# KiCad board led_mapper_850.kicad_pcb
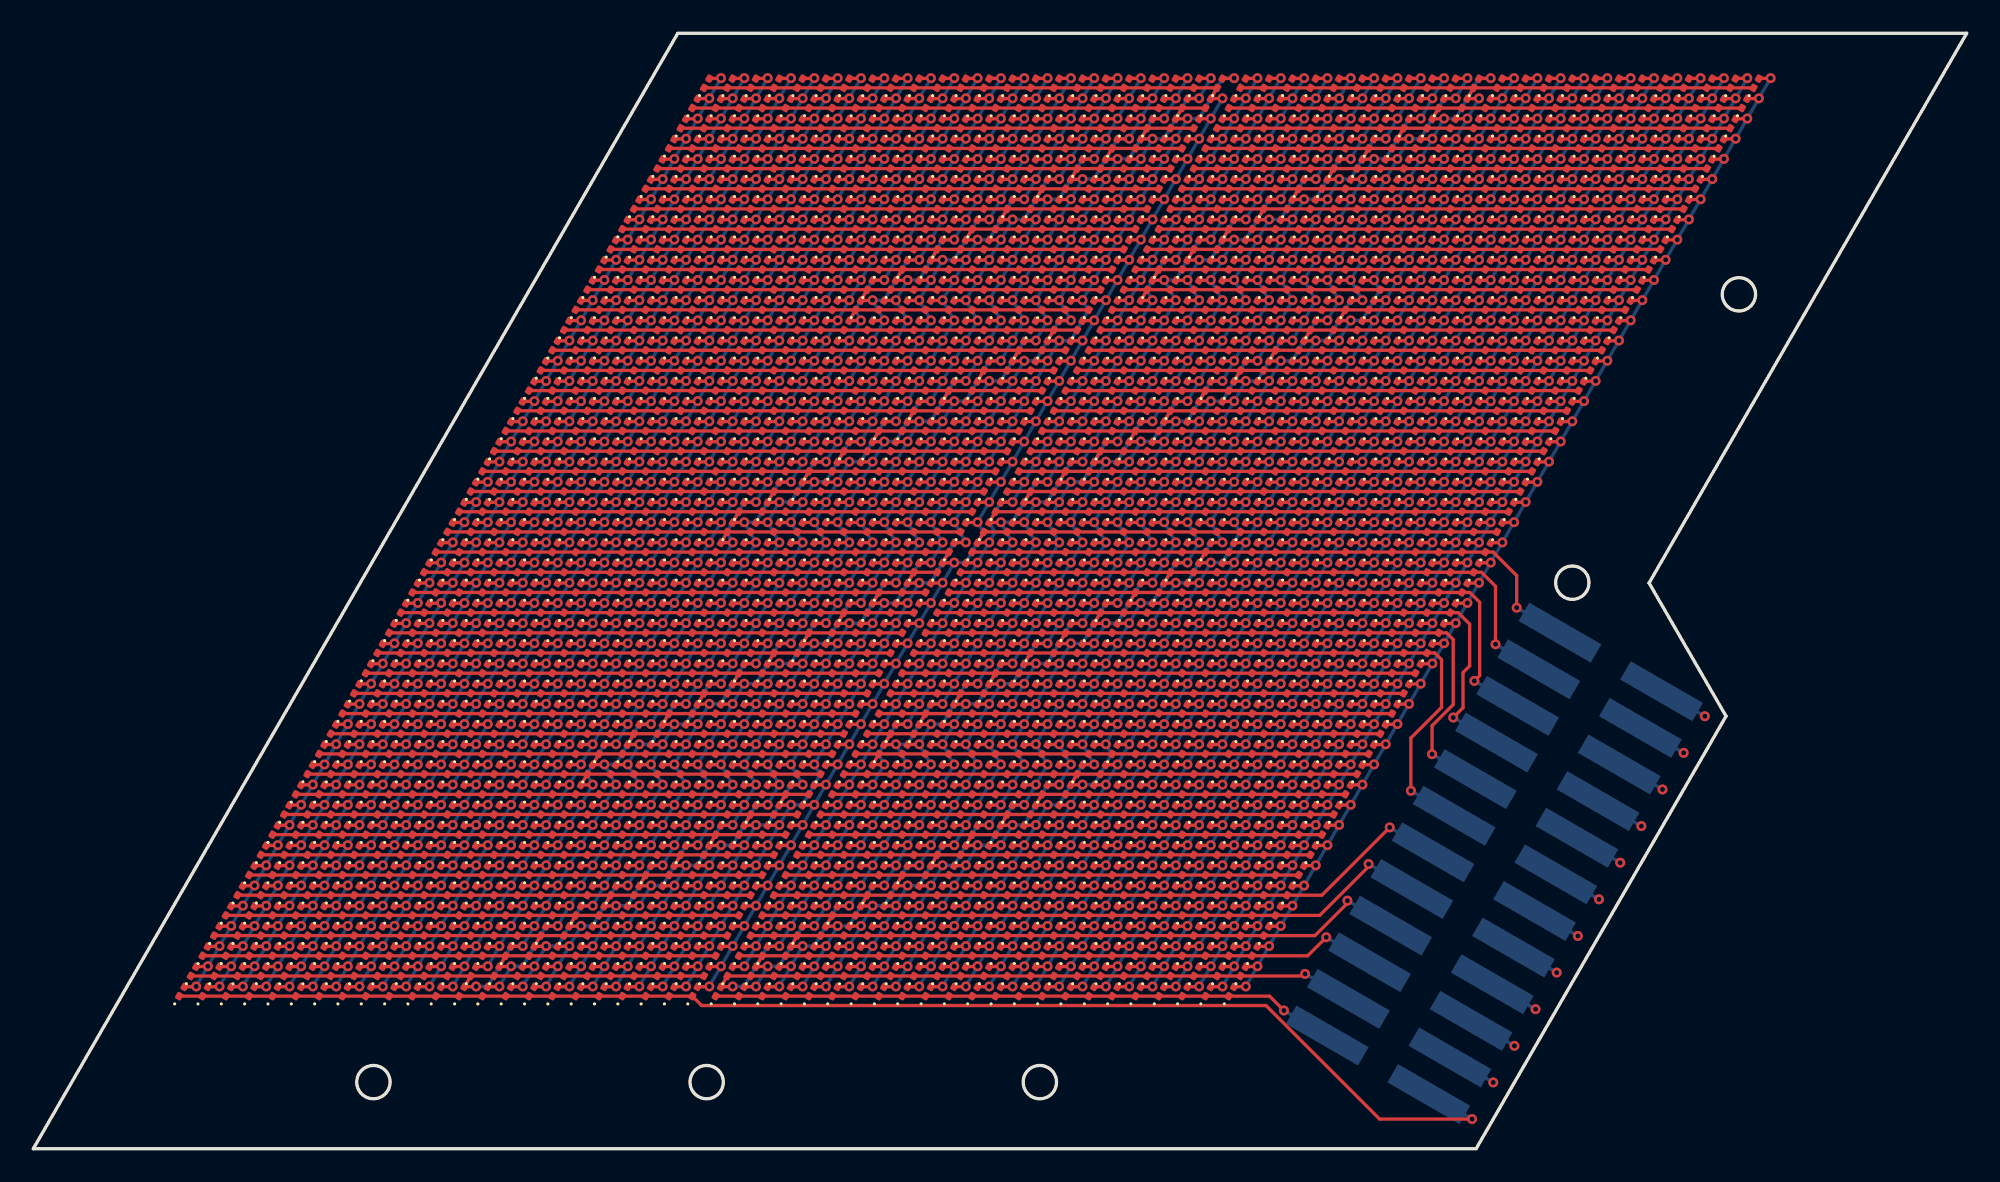
[diagram p0: board, top side]
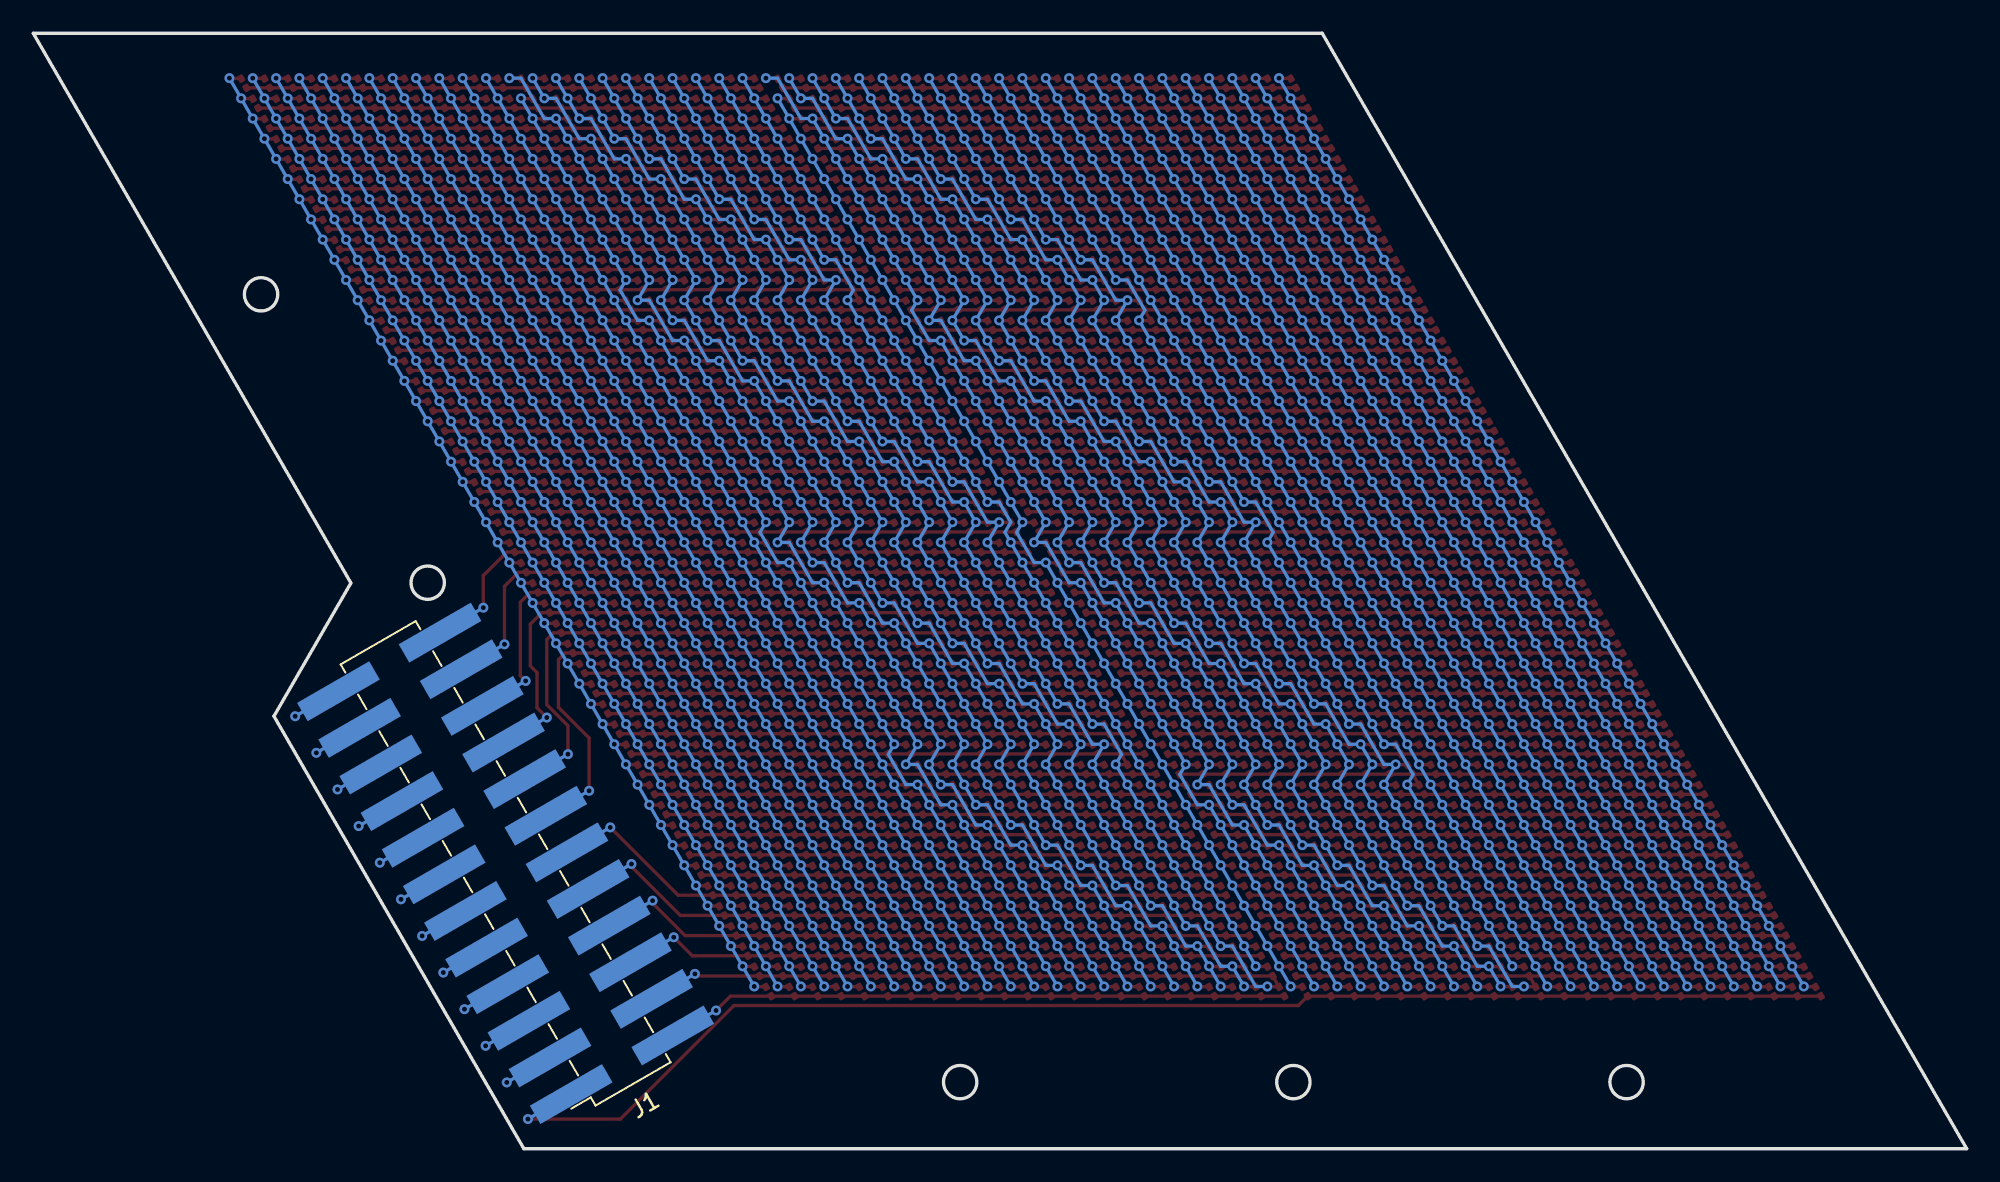
[diagram p1: board, bottom side, seen from below]

Outline 116.05 x 67 mm; copper layers: Top, In1.Cu, In2.Cu, Bottom. Coordinates in mm from the lower left corner of the outline.
Outline path: circle c20.41,4 r1 ; circle c40.41,4 r1 ; circle c60.41,4 r1 ; circle c92.38,34 r1 ; circle c102.38,51.32 r1 ; 0,0 86.6,0 101.6,25.98 96.98,33.98 116.05,67 38.68,67 0,0
Stack: Top 0.035mm / dielectric 0.1mm FR4 er 4.5 / In1.Cu 0.035mm / dielectric 1.24mm FR4 er 4.5 / In2.Cu 0.035mm / dielectric 0.1mm FR4 er 4.5 / Bottom 0.035mm

## Placement (name value [footprint] x y rotation side)
D1  LED  [LED_0201_0603Metric]  40.41 64 60 top
D2  LED  [LED_0201_0603Metric]  41.81 64 60 top
D3  LED  [LED_0201_0603Metric]  43.21 64 60 top
D4  LED  [LED_0201_0603Metric]  44.61 64 60 top
D5  LED  [LED_0201_0603Metric]  46.01 64 60 top
D6  LED  [LED_0201_0603Metric]  47.41 64 60 top
D7  LED  [LED_0201_0603Metric]  48.81 64 60 top
D8  LED  [LED_0201_0603Metric]  50.21 64 60 top
D9  LED  [LED_0201_0603Metric]  51.61 64 60 top
D10  LED  [LED_0201_0603Metric]  53.01 64 60 top
D11  LED  [LED_0201_0603Metric]  54.41 64 60 top
D12  LED  [LED_0201_0603Metric]  55.81 64 60 top
D13  LED  [LED_0201_0603Metric]  57.21 64 60 top
D14  LED  [LED_0201_0603Metric]  58.61 64 60 top
D15  LED  [LED_0201_0603Metric]  60.01 64 60 top
D16  LED  [LED_0201_0603Metric]  61.41 64 60 top
D17  LED  [LED_0201_0603Metric]  62.81 64 60 top
D18  LED  [LED_0201_0603Metric]  64.21 64 60 top
D19  LED  [LED_0201_0603Metric]  65.61 64 60 top
D20  LED  [LED_0201_0603Metric]  67.01 64 60 top
D21  LED  [LED_0201_0603Metric]  68.41 64 60 top
D22  LED  [LED_0201_0603Metric]  69.81 64 60 top
D23  LED  [LED_0201_0603Metric]  71.21 64 60 top
D24  LED  [LED_0201_0603Metric]  72.61 64 60 top
D25  LED  [LED_0201_0603Metric]  74.01 64 60 top
D26  LED  [LED_0201_0603Metric]  75.41 64 60 top
D27  LED  [LED_0201_0603Metric]  76.81 64 60 top
D28  LED  [LED_0201_0603Metric]  78.21 64 60 top
D29  LED  [LED_0201_0603Metric]  79.61 64 60 top
D30  LED  [LED_0201_0603Metric]  81.01 64 60 top
D31  LED  [LED_0201_0603Metric]  82.41 64 60 top
D32  LED  [LED_0201_0603Metric]  83.81 64 60 top
D33  LED  [LED_0201_0603Metric]  85.21 64 60 top
D34  LED  [LED_0201_0603Metric]  86.61 64 60 top
D35  LED  [LED_0201_0603Metric]  88.01 64 60 top
D36  LED  [LED_0201_0603Metric]  89.41 64 60 top
D37  LED  [LED_0201_0603Metric]  90.81 64 60 top
D38  LED  [LED_0201_0603Metric]  92.21 64 60 top
D39  LED  [LED_0201_0603Metric]  93.61 64 60 top
D40  LED  [LED_0201_0603Metric]  95.01 64 60 top
D41  LED  [LED_0201_0603Metric]  96.41 64 60 top
D42  LED  [LED_0201_0603Metric]  97.81 64 60 top
D43  LED  [LED_0201_0603Metric]  99.21 64 60 top
D44  LED  [LED_0201_0603Metric]  100.61 64 60 top
D45  LED  [LED_0201_0603Metric]  102.01 64 60 top
D46  LED  [LED_0201_0603Metric]  103.41 64 60 top
D47  LED  [LED_0201_0603Metric]  39.71 62.79 60 top
D48  LED  [LED_0201_0603Metric]  41.11 62.79 60 top
D49  LED  [LED_0201_0603Metric]  42.51 62.79 60 top
D50  LED  [LED_0201_0603Metric]  43.91 62.79 60 top
D51  LED  [LED_0201_0603Metric]  45.31 62.79 60 top
D52  LED  [LED_0201_0603Metric]  46.71 62.79 60 top
D53  LED  [LED_0201_0603Metric]  48.11 62.79 60 top
D54  LED  [LED_0201_0603Metric]  49.51 62.79 60 top
D55  LED  [LED_0201_0603Metric]  50.91 62.79 60 top
D56  LED  [LED_0201_0603Metric]  52.31 62.79 60 top
D57  LED  [LED_0201_0603Metric]  53.71 62.79 60 top
D58  LED  [LED_0201_0603Metric]  55.11 62.79 60 top
D59  LED  [LED_0201_0603Metric]  56.51 62.79 60 top
D60  LED  [LED_0201_0603Metric]  57.91 62.79 60 top
D61  LED  [LED_0201_0603Metric]  59.31 62.79 60 top
D62  LED  [LED_0201_0603Metric]  60.71 62.79 60 top
D63  LED  [LED_0201_0603Metric]  62.11 62.79 60 top
D64  LED  [LED_0201_0603Metric]  63.51 62.79 60 top
D65  LED  [LED_0201_0603Metric]  64.91 62.79 60 top
D66  LED  [LED_0201_0603Metric]  66.31 62.79 60 top
D67  LED  [LED_0201_0603Metric]  67.71 62.79 60 top
D68  LED  [LED_0201_0603Metric]  69.11 62.79 60 top
D69  LED  [LED_0201_0603Metric]  70.51 62.79 60 top
D70  LED  [LED_0201_0603Metric]  71.91 62.79 60 top
D71  LED  [LED_0201_0603Metric]  73.31 62.79 60 top
D72  LED  [LED_0201_0603Metric]  74.71 62.79 60 top
D73  LED  [LED_0201_0603Metric]  76.11 62.79 60 top
D74  LED  [LED_0201_0603Metric]  77.51 62.79 60 top
D75  LED  [LED_0201_0603Metric]  78.91 62.79 60 top
D76  LED  [LED_0201_0603Metric]  80.31 62.79 60 top
D77  LED  [LED_0201_0603Metric]  81.71 62.79 60 top
D78  LED  [LED_0201_0603Metric]  83.11 62.79 60 top
D79  LED  [LED_0201_0603Metric]  84.51 62.79 60 top
D80  LED  [LED_0201_0603Metric]  85.91 62.79 60 top
D81  LED  [LED_0201_0603Metric]  87.31 62.79 60 top
D82  LED  [LED_0201_0603Metric]  88.71 62.79 60 top
D83  LED  [LED_0201_0603Metric]  90.11 62.79 60 top
D84  LED  [LED_0201_0603Metric]  91.51 62.79 60 top
D85  LED  [LED_0201_0603Metric]  92.91 62.79 60 top
D86  LED  [LED_0201_0603Metric]  94.31 62.79 60 top
D87  LED  [LED_0201_0603Metric]  95.71 62.79 60 top
D88  LED  [LED_0201_0603Metric]  97.11 62.79 60 top
D89  LED  [LED_0201_0603Metric]  98.51 62.79 60 top
D90  LED  [LED_0201_0603Metric]  99.91 62.79 60 top
D91  LED  [LED_0201_0603Metric]  101.31 62.79 60 top
D92  LED  [LED_0201_0603Metric]  102.71 62.79 60 top
D93  LED  [LED_0201_0603Metric]  39.01 61.58 60 top
D94  LED  [LED_0201_0603Metric]  40.41 61.58 60 top
D95  LED  [LED_0201_0603Metric]  41.81 61.58 60 top
D96  LED  [LED_0201_0603Metric]  43.21 61.58 60 top
D97  LED  [LED_0201_0603Metric]  44.61 61.58 60 top
D98  LED  [LED_0201_0603Metric]  46.01 61.58 60 top
D99  LED  [LED_0201_0603Metric]  47.41 61.58 60 top
D100  LED  [LED_0201_0603Metric]  48.81 61.58 60 top
D101  LED  [LED_0201_0603Metric]  50.21 61.58 60 top
D102  LED  [LED_0201_0603Metric]  51.61 61.58 60 top
D103  LED  [LED_0201_0603Metric]  53.01 61.58 60 top
D104  LED  [LED_0201_0603Metric]  54.41 61.58 60 top
D105  LED  [LED_0201_0603Metric]  55.81 61.58 60 top
D106  LED  [LED_0201_0603Metric]  57.21 61.58 60 top
D107  LED  [LED_0201_0603Metric]  58.61 61.58 60 top
D108  LED  [LED_0201_0603Metric]  60.01 61.58 60 top
D109  LED  [LED_0201_0603Metric]  61.41 61.58 60 top
D110  LED  [LED_0201_0603Metric]  62.81 61.58 60 top
D111  LED  [LED_0201_0603Metric]  64.21 61.58 60 top
D112  LED  [LED_0201_0603Metric]  65.61 61.58 60 top
D113  LED  [LED_0201_0603Metric]  67.01 61.58 60 top
D114  LED  [LED_0201_0603Metric]  68.41 61.58 60 top
D115  LED  [LED_0201_0603Metric]  69.81 61.58 60 top
D116  LED  [LED_0201_0603Metric]  71.21 61.58 60 top
D117  LED  [LED_0201_0603Metric]  72.61 61.58 60 top
D118  LED  [LED_0201_0603Metric]  74.01 61.58 60 top
D119  LED  [LED_0201_0603Metric]  75.41 61.58 60 top
D120  LED  [LED_0201_0603Metric]  76.81 61.58 60 top
D121  LED  [LED_0201_0603Metric]  78.21 61.58 60 top
D122  LED  [LED_0201_0603Metric]  79.61 61.58 60 top
D123  LED  [LED_0201_0603Metric]  81.01 61.58 60 top
D124  LED  [LED_0201_0603Metric]  82.41 61.58 60 top
D125  LED  [LED_0201_0603Metric]  83.81 61.58 60 top
D126  LED  [LED_0201_0603Metric]  85.21 61.58 60 top
D127  LED  [LED_0201_0603Metric]  86.61 61.58 60 top
D128  LED  [LED_0201_0603Metric]  88.01 61.58 60 top
D129  LED  [LED_0201_0603Metric]  89.41 61.58 60 top
D130  LED  [LED_0201_0603Metric]  90.81 61.58 60 top
D131  LED  [LED_0201_0603Metric]  92.21 61.58 60 top
D132  LED  [LED_0201_0603Metric]  93.61 61.58 60 top
D133  LED  [LED_0201_0603Metric]  95.01 61.58 60 top
D134  LED  [LED_0201_0603Metric]  96.41 61.58 60 top
D135  LED  [LED_0201_0603Metric]  97.81 61.58 60 top
D136  LED  [LED_0201_0603Metric]  99.21 61.58 60 top
D137  LED  [LED_0201_0603Metric]  100.61 61.58 60 top
D138  LED  [LED_0201_0603Metric]  102.01 61.58 60 top
D139  LED  [LED_0201_0603Metric]  38.31 60.36 60 top
D140  LED  [LED_0201_0603Metric]  39.71 60.36 60 top
D141  LED  [LED_0201_0603Metric]  41.11 60.36 60 top
D142  LED  [LED_0201_0603Metric]  42.51 60.36 60 top
D143  LED  [LED_0201_0603Metric]  43.91 60.36 60 top
D144  LED  [LED_0201_0603Metric]  45.31 60.36 60 top
D145  LED  [LED_0201_0603Metric]  46.71 60.36 60 top
D146  LED  [LED_0201_0603Metric]  48.11 60.36 60 top
D147  LED  [LED_0201_0603Metric]  49.51 60.36 60 top
D148  LED  [LED_0201_0603Metric]  50.91 60.36 60 top
D149  LED  [LED_0201_0603Metric]  52.31 60.36 60 top
D150  LED  [LED_0201_0603Metric]  53.71 60.36 60 top
D151  LED  [LED_0201_0603Metric]  55.11 60.36 60 top
D152  LED  [LED_0201_0603Metric]  56.51 60.36 60 top
D153  LED  [LED_0201_0603Metric]  57.91 60.36 60 top
D154  LED  [LED_0201_0603Metric]  59.31 60.36 60 top
D155  LED  [LED_0201_0603Metric]  60.71 60.36 60 top
D156  LED  [LED_0201_0603Metric]  62.11 60.36 60 top
D157  LED  [LED_0201_0603Metric]  63.51 60.36 60 top
D158  LED  [LED_0201_0603Metric]  64.91 60.36 60 top
D159  LED  [LED_0201_0603Metric]  66.31 60.36 60 top
D160  LED  [LED_0201_0603Metric]  67.71 60.36 60 top
D161  LED  [LED_0201_0603Metric]  69.11 60.36 60 top
D162  LED  [LED_0201_0603Metric]  70.51 60.36 60 top
D163  LED  [LED_0201_0603Metric]  71.91 60.36 60 top
D164  LED  [LED_0201_0603Metric]  73.31 60.36 60 top
D165  LED  [LED_0201_0603Metric]  74.71 60.36 60 top
D166  LED  [LED_0201_0603Metric]  76.11 60.36 60 top
D167  LED  [LED_0201_0603Metric]  77.51 60.36 60 top
D168  LED  [LED_0201_0603Metric]  78.91 60.36 60 top
D169  LED  [LED_0201_0603Metric]  80.31 60.36 60 top
D170  LED  [LED_0201_0603Metric]  81.71 60.36 60 top
D171  LED  [LED_0201_0603Metric]  83.11 60.36 60 top
D172  LED  [LED_0201_0603Metric]  84.51 60.36 60 top
D173  LED  [LED_0201_0603Metric]  85.91 60.36 60 top
D174  LED  [LED_0201_0603Metric]  87.31 60.36 60 top
D175  LED  [LED_0201_0603Metric]  88.71 60.36 60 top
D176  LED  [LED_0201_0603Metric]  90.11 60.36 60 top
D177  LED  [LED_0201_0603Metric]  91.51 60.36 60 top
D178  LED  [LED_0201_0603Metric]  92.91 60.36 60 top
D179  LED  [LED_0201_0603Metric]  94.31 60.36 60 top
D180  LED  [LED_0201_0603Metric]  95.71 60.36 60 top
D181  LED  [LED_0201_0603Metric]  97.11 60.36 60 top
D182  LED  [LED_0201_0603Metric]  98.51 60.36 60 top
D183  LED  [LED_0201_0603Metric]  99.91 60.36 60 top
D184  LED  [LED_0201_0603Metric]  101.31 60.36 60 top
D185  LED  [LED_0201_0603Metric]  37.61 59.15 60 top
D186  LED  [LED_0201_0603Metric]  39.01 59.15 60 top
D187  LED  [LED_0201_0603Metric]  40.41 59.15 60 top
D188  LED  [LED_0201_0603Metric]  41.81 59.15 60 top
D189  LED  [LED_0201_0603Metric]  43.21 59.15 60 top
D190  LED  [LED_0201_0603Metric]  44.61 59.15 60 top
D191  LED  [LED_0201_0603Metric]  46.01 59.15 60 top
D192  LED  [LED_0201_0603Metric]  47.41 59.15 60 top
D193  LED  [LED_0201_0603Metric]  48.81 59.15 60 top
D194  LED  [LED_0201_0603Metric]  50.21 59.15 60 top
D195  LED  [LED_0201_0603Metric]  51.61 59.15 60 top
D196  LED  [LED_0201_0603Metric]  53.01 59.15 60 top
D197  LED  [LED_0201_0603Metric]  54.41 59.15 60 top
D198  LED  [LED_0201_0603Metric]  55.81 59.15 60 top
D199  LED  [LED_0201_0603Metric]  57.21 59.15 60 top
D200  LED  [LED_0201_0603Metric]  58.61 59.15 60 top
D201  LED  [LED_0201_0603Metric]  60.01 59.15 60 top
D202  LED  [LED_0201_0603Metric]  61.41 59.15 60 top
D203  LED  [LED_0201_0603Metric]  62.81 59.15 60 top
D204  LED  [LED_0201_0603Metric]  64.21 59.15 60 top
D205  LED  [LED_0201_0603Metric]  65.61 59.15 60 top
D206  LED  [LED_0201_0603Metric]  67.01 59.15 60 top
D207  LED  [LED_0201_0603Metric]  68.41 59.15 60 top
D208  LED  [LED_0201_0603Metric]  69.81 59.15 60 top
D209  LED  [LED_0201_0603Metric]  71.21 59.15 60 top
D210  LED  [LED_0201_0603Metric]  72.61 59.15 60 top
D211  LED  [LED_0201_0603Metric]  74.01 59.15 60 top
D212  LED  [LED_0201_0603Metric]  75.41 59.15 60 top
D213  LED  [LED_0201_0603Metric]  76.81 59.15 60 top
D214  LED  [LED_0201_0603Metric]  78.21 59.15 60 top
D215  LED  [LED_0201_0603Metric]  79.61 59.15 60 top
D216  LED  [LED_0201_0603Metric]  81.01 59.15 60 top
D217  LED  [LED_0201_0603Metric]  82.41 59.15 60 top
D218  LED  [LED_0201_0603Metric]  83.81 59.15 60 top
D219  LED  [LED_0201_0603Metric]  85.21 59.15 60 top
D220  LED  [LED_0201_0603Metric]  86.61 59.15 60 top
D221  LED  [LED_0201_0603Metric]  88.01 59.15 60 top
D222  LED  [LED_0201_0603Metric]  89.41 59.15 60 top
D223  LED  [LED_0201_0603Metric]  90.81 59.15 60 top
D224  LED  [LED_0201_0603Metric]  92.21 59.15 60 top
D225  LED  [LED_0201_0603Metric]  93.61 59.15 60 top
D226  LED  [LED_0201_0603Metric]  95.01 59.15 60 top
D227  LED  [LED_0201_0603Metric]  96.41 59.15 60 top
D228  LED  [LED_0201_0603Metric]  97.81 59.15 60 top
D229  LED  [LED_0201_0603Metric]  99.21 59.15 60 top
D230  LED  [LED_0201_0603Metric]  100.61 59.15 60 top
D231  LED  [LED_0201_0603Metric]  36.91 57.94 60 top
D232  LED  [LED_0201_0603Metric]  38.31 57.94 60 top
D233  LED  [LED_0201_0603Metric]  39.71 57.94 60 top
D234  LED  [LED_0201_0603Metric]  41.11 57.94 60 top
D235  LED  [LED_0201_0603Metric]  42.51 57.94 60 top
D236  LED  [LED_0201_0603Metric]  43.91 57.94 60 top
D237  LED  [LED_0201_0603Metric]  45.31 57.94 60 top
D238  LED  [LED_0201_0603Metric]  46.71 57.94 60 top
D239  LED  [LED_0201_0603Metric]  48.11 57.94 60 top
D240  LED  [LED_0201_0603Metric]  49.51 57.94 60 top
D241  LED  [LED_0201_0603Metric]  50.91 57.94 60 top
D242  LED  [LED_0201_0603Metric]  52.31 57.94 60 top
D243  LED  [LED_0201_0603Metric]  53.71 57.94 60 top
D244  LED  [LED_0201_0603Metric]  55.11 57.94 60 top
D245  LED  [LED_0201_0603Metric]  56.51 57.94 60 top
D246  LED  [LED_0201_0603Metric]  57.91 57.94 60 top
D247  LED  [LED_0201_0603Metric]  59.31 57.94 60 top
D248  LED  [LED_0201_0603Metric]  60.71 57.94 60 top
D249  LED  [LED_0201_0603Metric]  62.11 57.94 60 top
D250  LED  [LED_0201_0603Metric]  63.51 57.94 60 top
D251  LED  [LED_0201_0603Metric]  64.91 57.94 60 top
D252  LED  [LED_0201_0603Metric]  66.31 57.94 60 top
D253  LED  [LED_0201_0603Metric]  67.71 57.94 60 top
D254  LED  [LED_0201_0603Metric]  69.11 57.94 60 top
D255  LED  [LED_0201_0603Metric]  70.51 57.94 60 top
D256  LED  [LED_0201_0603Metric]  71.91 57.94 60 top
D257  LED  [LED_0201_0603Metric]  73.31 57.94 60 top
D258  LED  [LED_0201_0603Metric]  74.71 57.94 60 top
D259  LED  [LED_0201_0603Metric]  76.11 57.94 60 top
D260  LED  [LED_0201_0603Metric]  77.51 57.94 60 top
D261  LED  [LED_0201_0603Metric]  78.91 57.94 60 top
D262  LED  [LED_0201_0603Metric]  80.31 57.94 60 top
D263  LED  [LED_0201_0603Metric]  81.71 57.94 60 top
D264  LED  [LED_0201_0603Metric]  83.11 57.94 60 top
D265  LED  [LED_0201_0603Metric]  84.51 57.94 60 top
D266  LED  [LED_0201_0603Metric]  85.91 57.94 60 top
D267  LED  [LED_0201_0603Metric]  87.31 57.94 60 top
D268  LED  [LED_0201_0603Metric]  88.71 57.94 60 top
D269  LED  [LED_0201_0603Metric]  90.11 57.94 60 top
D270  LED  [LED_0201_0603Metric]  91.51 57.94 60 top
D271  LED  [LED_0201_0603Metric]  92.91 57.94 60 top
D272  LED  [LED_0201_0603Metric]  94.31 57.94 60 top
D273  LED  [LED_0201_0603Metric]  95.71 57.94 60 top
D274  LED  [LED_0201_0603Metric]  97.11 57.94 60 top
D275  LED  [LED_0201_0603Metric]  98.51 57.94 60 top
D276  LED  [LED_0201_0603Metric]  99.91 57.94 60 top
D277  LED  [LED_0201_0603Metric]  36.21 56.73 60 top
D278  LED  [LED_0201_0603Metric]  37.61 56.73 60 top
D279  LED  [LED_0201_0603Metric]  39.01 56.73 60 top
D280  LED  [LED_0201_0603Metric]  40.41 56.73 60 top
D281  LED  [LED_0201_0603Metric]  41.81 56.73 60 top
D282  LED  [LED_0201_0603Metric]  43.21 56.73 60 top
D283  LED  [LED_0201_0603Metric]  44.61 56.73 60 top
D284  LED  [LED_0201_0603Metric]  46.01 56.73 60 top
D285  LED  [LED_0201_0603Metric]  47.41 56.73 60 top
D286  LED  [LED_0201_0603Metric]  48.81 56.73 60 top
D287  LED  [LED_0201_0603Metric]  50.21 56.73 60 top
D288  LED  [LED_0201_0603Metric]  51.61 56.73 60 top
D289  LED  [LED_0201_0603Metric]  53.01 56.73 60 top
D290  LED  [LED_0201_0603Metric]  54.41 56.73 60 top
D291  LED  [LED_0201_0603Metric]  55.81 56.73 60 top
D292  LED  [LED_0201_0603Metric]  57.21 56.73 60 top
D293  LED  [LED_0201_0603Metric]  58.61 56.73 60 top
D294  LED  [LED_0201_0603Metric]  60.01 56.73 60 top
D295  LED  [LED_0201_0603Metric]  61.41 56.73 60 top
D296  LED  [LED_0201_0603Metric]  62.81 56.73 60 top
D297  LED  [LED_0201_0603Metric]  64.21 56.73 60 top
D298  LED  [LED_0201_0603Metric]  65.61 56.73 60 top
D299  LED  [LED_0201_0603Metric]  67.01 56.73 60 top
D300  LED  [LED_0201_0603Metric]  68.41 56.73 60 top
D301  LED  [LED_0201_0603Metric]  69.81 56.73 60 top
D302  LED  [LED_0201_0603Metric]  71.21 56.73 60 top
D303  LED  [LED_0201_0603Metric]  72.61 56.73 60 top
D304  LED  [LED_0201_0603Metric]  74.01 56.73 60 top
D305  LED  [LED_0201_0603Metric]  75.41 56.73 60 top
D306  LED  [LED_0201_0603Metric]  76.81 56.73 60 top
D307  LED  [LED_0201_0603Metric]  78.21 56.73 60 top
D308  LED  [LED_0201_0603Metric]  79.61 56.73 60 top
D309  LED  [LED_0201_0603Metric]  81.01 56.73 60 top
D310  LED  [LED_0201_0603Metric]  82.41 56.73 60 top
D311  LED  [LED_0201_0603Metric]  83.81 56.73 60 top
D312  LED  [LED_0201_0603Metric]  85.21 56.73 60 top
D313  LED  [LED_0201_0603Metric]  86.61 56.73 60 top
D314  LED  [LED_0201_0603Metric]  88.01 56.73 60 top
D315  LED  [LED_0201_0603Metric]  89.41 56.73 60 top
D316  LED  [LED_0201_0603Metric]  90.81 56.73 60 top
D317  LED  [LED_0201_0603Metric]  92.21 56.73 60 top
D318  LED  [LED_0201_0603Metric]  93.61 56.73 60 top
D319  LED  [LED_0201_0603Metric]  95.01 56.73 60 top
D320  LED  [LED_0201_0603Metric]  96.41 56.73 60 top
D321  LED  [LED_0201_0603Metric]  97.81 56.73 60 top
D322  LED  [LED_0201_0603Metric]  99.21 56.73 60 top
D323  LED  [LED_0201_0603Metric]  35.51 55.51 60 top
D324  LED  [LED_0201_0603Metric]  36.91 55.51 60 top
D325  LED  [LED_0201_0603Metric]  38.31 55.51 60 top
D326  LED  [LED_0201_0603Metric]  39.71 55.51 60 top
D327  LED  [LED_0201_0603Metric]  41.11 55.51 60 top
D328  LED  [LED_0201_0603Metric]  42.51 55.51 60 top
D329  LED  [LED_0201_0603Metric]  43.91 55.51 60 top
D330  LED  [LED_0201_0603Metric]  45.31 55.51 60 top
D331  LED  [LED_0201_0603Metric]  46.71 55.51 60 top
D332  LED  [LED_0201_0603Metric]  48.11 55.51 60 top
D333  LED  [LED_0201_0603Metric]  49.51 55.51 60 top
D334  LED  [LED_0201_0603Metric]  50.91 55.51 60 top
D335  LED  [LED_0201_0603Metric]  52.31 55.51 60 top
D336  LED  [LED_0201_0603Metric]  53.71 55.51 60 top
D337  LED  [LED_0201_0603Metric]  55.11 55.51 60 top
D338  LED  [LED_0201_0603Metric]  56.51 55.51 60 top
D339  LED  [LED_0201_0603Metric]  57.91 55.51 60 top
D340  LED  [LED_0201_0603Metric]  59.31 55.51 60 top
D341  LED  [LED_0201_0603Metric]  60.71 55.51 60 top
D342  LED  [LED_0201_0603Metric]  62.11 55.51 60 top
D343  LED  [LED_0201_0603Metric]  63.51 55.51 60 top
D344  LED  [LED_0201_0603Metric]  64.91 55.51 60 top
D345  LED  [LED_0201_0603Metric]  66.31 55.51 60 top
D346  LED  [LED_0201_0603Metric]  67.71 55.51 60 top
D347  LED  [LED_0201_0603Metric]  69.11 55.51 60 top
D348  LED  [LED_0201_0603Metric]  70.51 55.51 60 top
D349  LED  [LED_0201_0603Metric]  71.91 55.51 60 top
D350  LED  [LED_0201_0603Metric]  73.31 55.51 60 top
D351  LED  [LED_0201_0603Metric]  74.71 55.51 60 top
D352  LED  [LED_0201_0603Metric]  76.11 55.51 60 top
D353  LED  [LED_0201_0603Metric]  77.51 55.51 60 top
D354  LED  [LED_0201_0603Metric]  78.91 55.51 60 top
D355  LED  [LED_0201_0603Metric]  80.31 55.51 60 top
D356  LED  [LED_0201_0603Metric]  81.71 55.51 60 top
D357  LED  [LED_0201_0603Metric]  83.11 55.51 60 top
D358  LED  [LED_0201_0603Metric]  84.51 55.51 60 top
D359  LED  [LED_0201_0603Metric]  85.91 55.51 60 top
D360  LED  [LED_0201_0603Metric]  87.31 55.51 60 top
D361  LED  [LED_0201_0603Metric]  88.71 55.51 60 top
D362  LED  [LED_0201_0603Metric]  90.11 55.51 60 top
D363  LED  [LED_0201_0603Metric]  91.51 55.51 60 top
D364  LED  [LED_0201_0603Metric]  92.91 55.51 60 top
D365  LED  [LED_0201_0603Metric]  94.31 55.51 60 top
D366  LED  [LED_0201_0603Metric]  95.71 55.51 60 top
D367  LED  [LED_0201_0603Metric]  97.11 55.51 60 top
D368  LED  [LED_0201_0603Metric]  98.51 55.51 60 top